# KiCad board DecentUSB.kicad_pcb (continued)
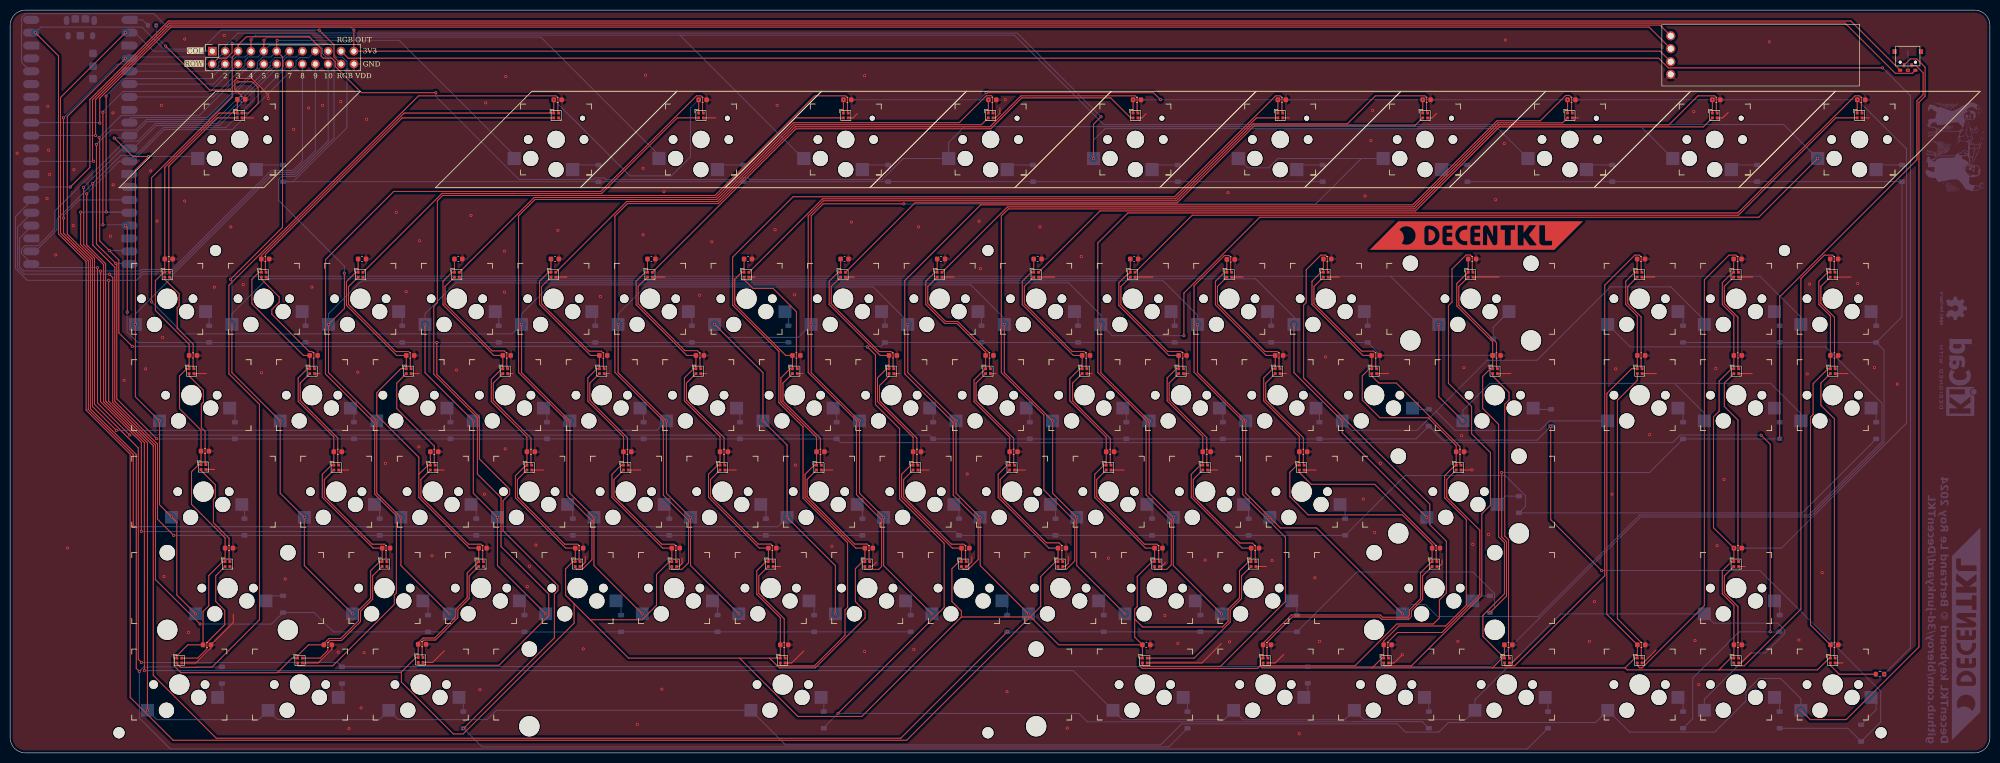
[diagram p0: board, top side]
## Routing (per net, layer and track width the routed paths; a pad name or vN(x,y) marks a point on that pad's centre or on a via; arc(x,y) is an arc through that point) (continued)
/Seven/RGB_OUT: length 25.2
  Top w0.2: D18.1 162.01,92.11 162.01,88.72 171.47,79.26 173.86,79.26 174.21,78.91 174.21,76.01
/Six/RGB_OUT: length 24.5
  Top w0.2: D16.1 144.81,93.49 146.56,91.74 150.54,91.74 155.14,87.14 155.14,76.04
/Two/RGB_OUT: length 25.3
  Top w0.2: 78.96,76.01 78.96,78.91 78.61,79.26 76.06,79.26 66.76,88.57 66.76,92.06 D8.1
COL_1: length 577.3
  Top w0.2: v1(139.01,84.61) 148.54,75.09 v1(148.54,65.56) 153.3,60.8 v1(153.3,46.51) 162.82,36.99 v1(162.82,27.46) ; v1(24.29,44.69) 24.29,58.95 15.38,67.86 15.44,67.91 15.44,97.18 9.94,102.68 9.94,129.43 v1(22.74,142.24) ; v1(176.34,108.44) 160.42,108.44 158.06,106.08 v1(158.06,84.61) 158.06,75.09 v1(167.58,65.56) 167.58,51.28 v1(172.35,46.51) 172.35,36.99 v1(181.87,27.46)
  Bottom w0.2: v1(22.74,142.24) 24.64,142.24 28.29,138.59 J1.1 ; 266.59,117.39 257.64,108.44 v1(176.34,108.44) ; 266.59,117.39 250.23,117.39 250.19,117.44 248.29,115.54 244.17,115.54 SW79.1 ; 266.59,117.39 SW80.1 ; v1(153.3,46.51) 151.45,44.66 24.31,44.66 v1(24.29,44.69) ; v1(139.01,84.61) 141.55,82.07 155.52,82.07 v1(158.06,84.61)
COL_2: length 693
  Top w0.2: v1(22.74,137.16) 11.27,125.68 11.27,102.48 16.24,97.51 16.24,68.41 v1(20.95,63.7) ; v1(213.75,117.39) 213.75,124.15 v1(215.24,125.64) ; v1(200.92,27.46) 191.4,36.99 v1(191.4,46.51) 186.63,51.28 v1(186.63,65.56) 177.11,75.09 v1(177.11,84.61) ; v1(119.96,84.61) 119.96,75.09 v1(129.49,65.56) 129.49,51.28 v1(134.25,46.51) 134.25,36.99 v1(143.77,27.46)
  Bottom w0.2: 23.02,137.44 41.28,137.44 J1.2 42.43,139.63 44.94,142.14 198.74,142.14 v1(215.24,125.64) ; v1(129.49,65.56) 127.63,63.71 20.96,63.71 v1(20.95,63.7) ; v1(119.96,84.61) 119.96,86.72 125.28,92.04 170.26,92.04 177.11,85.19 ; v1(213.75,117.39) 213.75,121 216.04,123.29 293.58,123.29 SW81.1
COL_3: length 702.8
  Top w0.2: v1(219.97,27.46) 210.45,36.99 v1(210.45,46.51) 205.69,51.28 v1(205.69,65.56) 196.16,75.09 v1(196.16,84.61) ; v1(124.72,27.46) 115.2,36.99 v1(115.2,46.51) 110.44,51.28 v1(110.44,65.56) 100.91,75.09 v1(100.91,84.61) ; v1(27.91,89.07) 27.91,113.61 43.82,129.52 43.82,137.44 J1.3 44.97,139.79 46.62,141.44 58.99,141.44 61.36,139.07 61.36,137.61 61.77,137.2 63.47,137.2 64.14,136.53 64.14,135.57 69.33,130.39 v1(83.98,130.39)
  Bottom w0.2: v1(27.91,89.07) 34.21,82.76 99.06,82.76 v1(100.91,84.61) 100.91,86.72 106.63,92.44 189.55,92.44 196.16,85.82 v1(196.16,84.61) ; J1.3 43.82,137.44 42.19,137.44 41.16,136.41 41.16,135.69 40.09,134.62 U1.5 ; v1(83.98,130.39) 83.98,129.66 100.4,113.24 115.17,113.24 115.49,113.56 117.19,113.56 117.54,113.21 143.24,113.21 143.59,113.56 145.64,113.56 145.99,113.21 172.04,113.21 176.22,117.39 SW77.1 185.17,120.57 188.29,123.69 321.75,123.69 SW82.1
COL_4: length 822.6
  Top w0.2: v1(356.62,117.39) 345.02,105.79 246.57,105.79 231.59,90.8 v1(231.59,82.39) ; v1(239.02,27.46) 229.5,36.99 v1(229.5,46.51) 224.74,51.28 v1(224.74,65.56) 215.21,75.09 v1(215.21,84.61) ; v1(81.86,84.61) 81.86,75.09 v1(91.39,65.56) 91.39,51.28 v1(96.15,46.51) 96.15,36.99 v1(105.67,27.46) ; J1.4 47.51,140.81 v1(47.54,140.84)
  Bottom w0.2: v1(231.59,82.39) 217.44,82.39 v1(215.21,84.61) 215.21,86.46 208.83,92.84 87.98,92.84 81.86,86.72 v1(81.86,84.61) ; SW76.1 156.48,117.39 132.14,141.74 ; 132.14,141.74 198.14,141.74 215.79,124.09 349.93,124.09 v1(356.62,117.39) ; 132.14,141.74 48.44,141.74 v1(47.54,140.84) ; J1.4 46.36,137.44 44.49,137.44 43.7,136.65 43.7,135.69 40.09,132.08 U1.6
COL_5: length 708.2
  Top w0.2: v1(234.26,84.61) 234.26,75.09 v1(243.78,65.56) 243.78,51.28 v1(248.55,46.51) 250.63,44.43 257.77,44.43 v1(274.74,27.46) ; v1(86.62,27.46) 77.1,36.99 v1(77.1,46.51) 72.33,51.28 v1(72.33,65.56) 62.81,75.09 v1(62.81,84.61) 65.96,87.76 65.96,94.72 v1(65.94,94.74) ; v1(50.09,140.74) 50.09,140.04 50.05,140 J1.5
  Bottom w0.2: SW17.1 319.65,80.19 358.21,80.19 369.34,69.06 369.34,61.44 354.9,47 321.55,47 301.49,26.94 281.63,26.94 279.26,29.31 276.59,29.31 v1(274.74,27.46) ; v1(234.26,84.61) 234.26,86.46 227.48,93.24 69.33,93.24 62.81,86.72 v1(62.81,84.61) ; v1(65.94,94.74) 65.94,96.14 52.96,109.12 52.96,113.26 53.55,113.84 56.28,113.84 63.9,121.46 63.9,136.77 63.23,137.44 62.27,137.44 61.6,138.11 61.6,139.13 60.99,139.74 51.2,139.74 J1.5 48.9,137.44 46.99,137.44 46.36,136.8 46.36,135.81 40.09,129.54 U1.7 ; SW75.1 128.02,118.05 104.73,141.34 50.69,141.34 v1(50.09,140.74)
COL_6: length 612.2
  Top w0.2: v1(43.76,84.61) 43.76,75.09 v1(53.28,65.56) 53.28,51.28 v1(58.05,46.51) 58.05,36.99 v1(67.57,27.46) ; v1(253.31,84.61) 253.31,75.09 v1(262.83,65.56) 262.83,63.18 v1(279.5,46.51) ; v1(52.69,140.74) 52.59,140.64 J1.6 53.74,137.44 53.74,103.79 v1(43.49,93.54)
  Bottom w0.2: v1(253.31,84.61) 253.31,86.06 245.74,93.64 50.68,93.64 43.76,86.72 v1(43.76,84.61) 43.76,93.27 v1(43.49,93.54) ; SW73.1 99.45,118.05 76.76,140.74 v1(52.69,140.74) ; 281.34,67.44 291.44,77.54 301.24,77.54 315.74,92.04 327.69,92.04 334.34,85.39 ; 281.34,67.44 285.09,63.69 301.84,63.69 303.72,65.56 SW21.1 ; 281.34,67.44 277.61,63.71 264.69,63.71 v1(262.83,65.56) ; U1.9 23.77,125.49 38.93,125.49 48.78,135.34 48.78,136.41 49.81,137.44 51.44,137.44 J1.6
COL_7: length 613.8
  Top w0.2: v1(20.54,121.44) 24.19,117.79 v1(27.34,117.79) 24.71,115.16 v1(24.71,84.61) 24.71,70.33 v1(29.47,65.56) 29.47,49 v1(31.85,46.62) 32.88,45.6 32.88,31.2 v1(36.62,27.46) ; v1(281.88,84.61) 281.88,70.33 v1(286.65,65.56)
  Bottom w0.2: 272.36,94.14 345.25,94.14 353.32,86.06 SW19.1 ; 272.36,94.14 32.13,94.14 24.71,86.72 v1(24.71,84.61) ; 272.36,94.14 v1(281.88,84.61) ; J1.7 53.86,137.32 52.23,137.32 51.32,136.41 51.32,135.69 40.32,124.69 27.05,124.69 24.28,121.92 U1.10 ; SW20.1 334.27,67.09 328.38,72.99 ; 328.38,72.99 347.35,72.99 353.32,67.01 SW22.1 ; 328.38,72.99 291.97,72.99 286.65,67.67 v1(286.65,65.56) ; v1(27.34,117.79) 36.62,117.79 SW74.1 ; v1(20.54,121.44) 22.26,121.44
COL_8: length 521
  Top w0.2: v1(26.49,16.24) 26.49,61.28 18.44,69.32 18.44,96.44 14.51,100.37 14.51,111.67 v1(14.49,111.69)
  Bottom w0.2: J1.8 56.52,137.44 54.55,137.44 53.98,136.87 53.98,135.53 53.34,134.9 52.26,134.9 41.26,123.89 28.78,123.89 24.27,119.38 U1.11 ; v1(14.49,111.69) 22.18,119.38 ; SW62.1 334.27,10.59 343.44,19.75 346.33,19.75 350.14,23.56 350.14,24.25 348.78,25.61 336.12,25.61 SW61.1 305.97,27.46 289.03,10.52 SW69.1 287.18,6.56 267.07,6.56 SW70.1 263.34,6.54 243.28,6.54 SW71.1 239.55,6.56 219.44,6.56 SW72.1 209.77,16.24 v1(26.49,16.24)
COL_9: length 663.7
  Top w0.2: v1(15.11,110.42) 15.11,100.34 18.84,96.6 18.84,69.49 27.09,61.24 v1(27.09,8.41) ; 373.67,135.81 374.92,137.06 376.19,137.06 377.84,135.42 377.84,129.7 376.62,128.49 376.62,20.92 362.26,6.56 355.17,6.56 v1(353.32,8.41)
  Bottom w0.2: v1(15.11,110.42) 21.53,116.84 U1.12 24.15,116.84 30.4,123.09 43.8,123.09 56.4,135.69 56.4,136.65 57.07,137.32 58.94,137.32 J1.9 ; v1(353.32,8.41) 353.32,10.7 349.33,14.69 345.08,14.69 342.48,12.1 342.48,10.25 336.33,4.11 319.53,4.11 SW63.1 312.8,5.99 283.77,5.99 281.89,4.11 275.29,4.11 273.66,5.74 231.14,5.74 226.97,1.57 152.99,1.57 SW68.1 95.96,8.41 94.11,6.56 76.57,6.56 SW67.1 72.87,6.56 52.75,6.56 SW66.1 49.05,6.56 28.94,6.56 v1(27.09,8.41)
RGB_LED_OUT: length 429.7
  Top w0.2: J1.21 66.68,137.2 325.26,137.2 327.17,135.29 v1(369.44,135.29)
  Bottom w0.2: v1(369.44,135.29) 374.94,129.79 374.94,20.71 v1(369.76,15.54)
RGB_VDD: length 3023.9
  Top w0.2: 340.11,37.79 v1(340.11,40.44) 336.09,44.46 336.09,66.39 337.19,67.49 337.19,73.43 339.62,75.86 D38.4 C19.1 340.1,86.28 337.82,88.56 337.82,92.87 339.54,94.59 339.74,94.59 D34.4 C17.1 ; 318.64,16.79 319.04,16.39 337.14,16.39 ; 318.64,16.79 292.46,16.79 ; 318.64,16.79 320.56,18.71 D124.4 ; D112.4 206.26,37.76 203.34,34.84 203.34,28.94 201.31,26.91 ; 61.91,21.58 62.92,22.59 65.22,22.59 68.74,26.1 68.74,28.15 71.12,30.54 71.12,35.97 72.91,37.76 D98.4 ; 187.69,26.84 187.69,28.02 185.82,29.88 185.82,36.37 187.21,37.76 D110.4 ; 187.69,26.84 201.24,26.84 ; 187.69,26.84 168.04,7.19 155.43,7.19 143.94,18.69 143.94,18.71 ; C11.1 D22.4 201.49,94.91 199.71,93.13 199.71,88.56 209.77,78.49 C30.1 D60.4 211.04,75.86 209.09,73.91 209.09,69.52 216.26,62.34 C44.1 D88.4 215.79,56.81 213.99,55.02 213.99,50.46 224.01,40.44 C57.1 225.81,37.79 ; v1(192.59,130.39) 225.59,130.39 v1(226.99,128.99) ; v1(250.14,128.99) D156.4 ; 280.46,37.76 278.29,35.59 278.29,30.44 276.09,28.24 276.09,27.1 275.77,26.79 270.8,26.79 270.35,27.24 252.79,27.24 247.21,21.66 ; 337.14,16.39 356.59,16.39 358.91,18.71 D126.4 ; 337.14,16.39 339.46,18.71 D122.4 ; D146.4 41.23,126.36 30.51,115.65 C1.1 D2.4 30.31,94.91 28.66,93.26 28.66,87.37 35.31,80.71 C3.1 D6.4 34.84,75.86 33.42,74.44 33.42,67.98 37.66,63.74 C35.1 D70.4 37.19,56.92 35.79,55.52 35.79,49.09 42.41,42.46 C48.1 D96.4 41.94,37.76 39.19,35.01 39.19,29.04 38.06,27.91 C64.1 35.06,21.34 32.91,19.19 D128.4 32.44,18.71 32.34,18.61 32.34,17.19 33.69,15.84 52.74,15.84 52.81,15.91 ; 143.94,18.71 122.01,18.71 114.44,26.29 ; 143.94,18.71 149.84,18.71 ; C65.1 58.87,21.34 56.72,19.19 D130.4 55.61,18.71 52.81,15.91 ; 149.84,18.71 D134.4 C67.1 151.96,26.68 147.32,31.32 147.32,35.97 149.11,37.76 D106.4 ; 149.84,18.71 151.76,16.79 158.85,16.79 168.69,26.62 168.69,27.97 166.77,29.88 166.77,36.37 168.16,37.76 D108.4 ; C37.1 D74.4 82.44,56.81 80.64,55.02 ; 114.44,26.29 111.27,29.45 ; 114.44,26.29 124.68,26.29 127.54,29.15 127.54,35.24 130.06,37.76 D104.4 ; C13.1 D26.4 239.59,94.91 237.81,93.13 237.81,88.51 247.82,78.49 C32.1 D64.4 249.14,75.86 247.33,74.06 247.33,69.51 254.36,62.48 C46.1 D92.4 253.89,56.81 252.49,55.42 252.49,50.62 256.11,47.01 274.7,47.01 280.56,41.15 C59.1 D118.4 ; C7.1 D14.4 125.29,94.91 123.51,93.13 123.51,88.5 133.52,78.49 C26.1 D52.4 134.84,75.86 133.03,74.06 133.03,69.51 140.06,62.48 C40.1 D80.4 139.59,56.81 137.79,55.02 137.79,50.46 147.81,40.44 C53.1 149.61,37.79 ; D138.4 270.66,18.71 268.74,16.79 ; v1(135.86,128.99) 135.86,126.39 ; 292.46,16.79 268.74,16.79 ; 292.46,16.79 294.39,18.71 D136.4 290.58,23 290.58,27.16 294.84,31.42 294.84,41.52 293.69,42.67 293.69,64.89 290.54,68.04 290.54,74.36 292.04,75.86 D68.4 C34.1 292.51,81.19 285.43,88.27 285.43,92.68 287.66,94.91 ; v1(335.86,128.99) D162.4 ; C6.1 D12.4 106.24,94.91 104.46,93.13 104.46,88.56 114.52,78.49 C25.1 D50.4 115.79,75.86 113.98,74.06 113.98,69.47 121.01,62.44 C39.1 D78.4 120.54,56.81 118.74,55.02 118.74,50.46 128.76,40.44 C52.1 130.56,37.79 ; 111.27,29.45 109.59,31.14 109.59,36.34 111.01,37.76 D102.4 ; 111.27,29.45 111.27,25.62 89.39,3.74 87.45,3.74 77.2,13.99 77.2,15.98 ; 340.11,18.74 C61.1 340.11,29.11 337.82,31.41 337.82,35.97 339.61,37.76 D120.4 ; 221.87,26.44 221.87,28.37 222.38,28.88 222.38,34.83 225.31,37.76 D114.4 ; 221.87,26.44 223.44,24.87 239.2,24.87 240.31,25.98 240.31,28.38 242.57,30.64 242.57,35.97 244.36,37.76 D116.4 ; 221.87,26.44 221.87,22.88 C71.1 ; 246.64,17.19 246.64,18.34 247.01,18.71 D140.4 C70.1 ; 246.64,17.19 246.14,16.69 223.39,16.69 222.84,17.24 222.84,18.61 222.94,18.71 D142.4 C71.1 ; 246.64,17.19 247.04,16.79 268.74,16.79 ; C14.1 D28.4 258.64,94.91 256.86,93.13 256.86,88.55 266.92,78.49 C33.1 D66.4 268.19,75.86 266.78,74.46 266.78,69.67 270.27,66.19 279.79,66.19 285.31,60.67 C47.1 D94.4 285.09,56.59 284.89,56.59 283.04,54.74 283.04,50.35 287.31,46.07 287.31,29.14 283.23,25.06 274.01,25.06 271.02,22.08 C69.1 271.02,18.73 ; 80.64,55.02 80.64,58.39 72.34,66.69 72.34,71.14 77.07,75.86 D46.4 C23.1 76.27,78.49 66.36,88.4 66.36,93.08 68.19,94.91 D8.4 C4.1 ; 80.64,55.02 80.64,50.42 90.62,40.44 C50.1 92.46,37.79 ; v1(4.96,142.24) 9.54,137.67 9.54,102.51 15.04,97.01 14.98,96.96 14.98,67.69 23.69,58.98 23.69,10.97 32.17,2.49 176.89,2.49 201.24,26.84 ; 73.41,37.79 C49.1 71.61,40.44 61.59,50.46 61.59,55.02 63.39,56.81 D72.4 C36.1 63.86,62.39 56.83,69.42 56.83,74.06 58.64,75.86 D44.4 C22.1 57.89,78.49 47.71,88.67 47.71,93.53 49.09,94.91 D4.4 C2.1 49.56,98.2 77.73,126.36 D144.4 v1(107.26,128.99) ; C15.1 D30.4 ; 187.71,37.79 C55.1 185.91,40.44 175.89,50.46 175.89,55.02 177.69,56.81 D84.4 C42.1 178.16,62.35 171.13,69.38 171.13,74.06 172.94,75.86 D56.4 C28.1 171.67,78.49 161.61,88.56 161.61,93.13 163.39,94.91 D18.4 C9.1 ; v1(307.29,128.99) D160.4 ; 364.44,128.96 D164.4 ; 80.51,21.74 81.46,22.69 83.77,22.69 87.94,26.85 87.94,28.4 90.17,30.64 90.17,35.52 92.41,37.76 ; v1(60.99,142.74) 63.9,139.83 63.9,137.44 J1.22 ; 201.31,26.91 206.89,21.34 C71.1 ; 201.31,26.91 201.24,26.84 ; 206.76,37.79 C56.1 204.96,40.44 194.94,50.46 194.94,55.02 196.74,56.81 D86.4 C43.1 197.21,62.34 190.18,69.37 190.18,73.63 192.41,75.86 ; C10.1 D20.4 182.44,94.91 180.66,93.13 180.66,88.56 184.4,84.81 186.8,84.81 192.46,79.15 C29.1 D58.4 ; 77.2,15.98 77.13,15.91 52.81,15.91 ; 77.2,15.98 80.04,18.82 D132.4 C66.1 ; v1(278.71,128.99) D158.4 ; v1(164.41,128.99) D150.4 ; v1(193.01,128.99) 193.01,126.39 ; C12.1 D24.4 220.69,94.59 220.49,94.59 218.76,92.86 218.76,88.35 228.62,78.49 C31.1 D62.4 230.09,75.86 228.28,74.06 228.28,69.51 235.31,62.48 C45.1 D90.4 234.84,56.81 233.04,55.02 233.04,50.46 243.06,40.44 C58.1 244.86,37.79 ; 359.16,18.74 C63.1 355.22,25.28 355.22,66.33 355.74,66.85 355.74,72.93 358.68,75.86 D42.4 C21.1 359.15,86.28 356.87,88.56 356.87,93.14 358.64,94.91 D36.4 C18.1 ; v1(221.56,128.99) D154.4 ; C68.1 294.84,18.74 ; 321.06,18.74 C62.1 315.04,27.36 315.04,70.99 319.91,75.86 D40.4 C20.1 321.05,86.28 318.77,88.56 318.77,93.14 320.54,94.91 D32.4 C16.1 ; 111.51,37.79 C51.1 109.62,40.44 99.69,50.37 99.69,54.74 101.49,56.54 101.69,56.54 D76.4 C38.1 101.96,62.36 94.93,69.4 94.93,73.78 97.01,75.86 D48.4 C24.1 95.42,78.49 85.41,88.5 85.41,93.13 87.19,94.91 D10.4 C5.1 ; C73.1 44.83,126.38 ; 168.66,37.79 C54.1 166.86,40.44 156.84,50.46 156.84,55.02 158.64,56.81 D82.4 C41.1 159.11,62.29 152.08,69.32 152.08,74.06 153.89,75.86 D54.4 C27.1 153.04,78.49 142.96,88.57 142.96,93.53 144.34,94.91 D16.4 C8.1
  Bottom w0.2: v1(221.56,128.99) v1(226.99,128.99) v1(250.14,128.99) v1(278.71,128.99) v1(307.29,128.99) v1(335.86,128.99) v1(364.46,128.99) 374.16,119.29 374.16,65.13 349.47,40.44 v1(340.11,40.44) ; 191.14,128.99 192.54,130.39 v1(192.59,130.39) ; 191.14,128.99 v1(193.01,128.99) ; 191.14,128.99 v1(164.41,128.99) ; v1(4.96,142.24) 6.07,143.34 25.99,143.34 30.34,138.99 37.84,138.99 41.59,142.74 v1(60.99,142.74) ; v1(135.86,128.99) 134.23,127.36 134.23,117.71 130.48,113.96 122.29,113.96 v1(107.26,128.99)
ROW_1: length 738
  Top w0.2: v1(10.54,125.44) v1(10.54,105.64) 10.54,102.64 15.84,97.34 15.84,67.97 24.89,58.92 24.89,16.69 v1(25.49,16.09) ; J1.11 41.04,137.2 42.7,137.2 43.79,138.29 v1(43.79,140.14)
  Bottom w0.2: D135.1 299.33,0.77 31.61,0.77 25.49,6.89 v1(25.49,16.09) 26.39,16.99 D127.1 ; v1(43.79,140.14) 62.84,140.14 63.9,139.08 63.9,137.88 64.39,137.39 65.58,137.39 66.44,136.53 66.44,123.44 55.81,112.81 D145.1 D143.1 D147.1 D149.1 D151.1 D153.1 D155.1 ; U1.15 13.63,109.22 10.54,106.13 v1(10.54,105.64) ; v1(10.54,125.44) 21.15,136.05 J1.11
ROW_2: length 695.9
  Top w0.2: v1(25.89,17.85) 25.29,18.45 25.29,60.21 16.64,68.86 16.64,97.68 13.91,100.4 v1(13.91,106.79) ; v1(18.94,129.7) v1(18.94,106.84)
  Bottom w0.2: D31.1 D33.1 D35.1 ; 65.54,17.04 D139.1 292.15,17.04 301.65,26.54 321.72,46.6 355.07,46.6 369.74,61.27 369.74,79.51 D35.1 ; D157.1 D159.1 D161.1 D163.1 373.26,86.14 D35.1 ; v1(25.89,17.85) 64.62,17.85 D129.1 ; J1.12 39.56,133.18 22.29,133.18 18.94,129.83 v1(18.94,129.7) ; v1(18.94,106.84) 22.59,106.84 ; v1(13.91,106.79) 22.64,106.79
ROW_3: length 450.7
  Top w0.2: v1(23.11,87.06) 23.11,103.77 v1(22.74,104.14) ; v1(84.19,81.06) 84.19,74.75 92.59,66.35 92.59,58.06 98.56,52.09 98.56,51.1 97.26,49.8 97.26,43.86 108.08,33.04 108.08,32.05 107.38,31.34 107.38,22.73 89.51,4.86 v1(89.42,4.86) ; v1(18.3,126.52) v1(18.3,104.3)
  Bottom w0.2: v1(89.42,4.86) 93.11,1.17 228.61,1.17 D141.1 ; v1(23.11,87.06) 23.09,87.04 23.09,83.11 25.14,81.06 D1.1 D3.1 D7.1 84.09,81.06 ; v1(18.3,126.52) 18.3,126.65 22.29,130.64 39.56,130.64 J1.13 ; 84.09,81.06 D9.1 D11.1 D13.1 D15.1 ; 84.09,81.06 v1(84.19,81.06) ; v1(18.3,104.3) 22.59,104.3
ROW_4: length 562.1
  Top w0.2: v1(163.34,7.79) 163.34,7.8 184.29,28.75 184.29,41.39 175.49,50.18 175.49,64.02 170.73,68.78 170.73,78.58 v1(169.13,80.18) ; v1(17.56,121.55) 17.66,121.44 17.66,101.12 v1(19.57,99.22) 21.44,97.35 21.44,82.96 v1(24.11,80.29)
  Bottom w0.2: J1.14 37.35,125.89 21.9,125.89 v1(17.56,121.55) ; 169.24,80.29 171.83,80.29 D17.1 D19.1 D21.1 D23.1 D25.1 D27.1 270.39,78.52 D29.1 ; 169.24,80.29 v1(169.13,80.18) ; 169.24,80.29 v1(24.11,80.29) ; v1(19.57,99.22) 22.59,99.22 ; D137.1 278.61,6.16 265.19,6.16 265.16,6.14 212.54,6.14 210.89,7.79 v1(163.34,7.79) 160.54,4.99
ROW_5: length 493.1
  Top w0.2: v1(17.03,120.17) 17.03,100.49 v1(20.84,96.68) 21.04,96.48 21.04,69.92 v1(28.87,62.09) ; v1(345.49,62.74) 347.29,60.94 v1(347.29,23.91)
  Bottom w0.2: D123.1 331.99,6.76 331.99,14.76 341.13,23.91 v1(347.29,23.91) D119.1 ; v1(345.49,62.74) 345.44,62.79 329.52,62.79 327.99,61.26 163.83,61.26 D53.1 D51.1 D49.1 D47.1 D45.1 D43.1 D5.1 28.95,62.01 v1(28.87,62.09) ; v1(17.03,120.17) 19.88,123.02 24.82,123.02 26.89,125.09 39.09,125.09 J1.15 ; v1(20.84,96.68) 22.59,96.68
ROW_6: length 530
  Top w0.2: v1(23.57,62.78) 17.24,69.11 v1(17.24,95.84) ; v1(303.96,64.46) 303.96,46.05 v1(314.02,35.99)
  Bottom w0.2: J1.16 40.83,124.29 28.62,124.29 25.14,120.81 22.62,120.81 8.83,107.02 8.83,103.49 5.5,100.16 2.91,100.16 2.27,99.52 2.27,98.6 4.35,96.52 ; v1(303.96,64.46) 301.25,61.75 282.71,61.75 D65.1 277.38,62.01 D63.1 D61.1 D59.1 D57.1 D55.1 181.38,62.76 23.59,62.76 v1(23.57,62.78) ; D121.1 362.6,4.86 365.22,2.24 369.08,6.11 369.08,12.17 345.23,36.03 314.06,36.03 v1(314.02,35.99) ; U1.21 5.65,95.84 v1(17.24,95.84)
ROW_7: length 278.7
  Top w0.2: v1(16.31,112.47) 16.31,100.27 20.64,95.94 20.64,69.42 29.07,60.99 29.07,46.15 v1(32.28,42.94)
  Bottom w0.2: v1(32.28,42.94) 32.3,42.96 D69.1 D71.1 D73.1 D75.1 D77.1 D79.1 D81.1 ; U1.22 9.24,103.34 9.24,105.4 v1(16.31,112.47) 21.78,117.94 24.69,117.94 30.24,123.49 42.57,123.49 J1.17
ROW_8: length 508.6
  Top w0.2: v1(25.89,43.74) 25.89,61.31 17.84,69.36 17.84,94.54 17.84,94.54 v1(17.84,95.14)
  Bottom w0.2: D41.1 353.58,47.4 D93.1 298.97,48.67 298.97,50.78 294.98,54.77 275.22,54.77 D91.1 D89.1 D87.1 D85.1 D83.1 186.46,43.71 25.92,43.71 v1(25.89,43.74) ; J1.18 57.67,116.93 55.78,115.04 51.52,115.04 31.96,95.48 25.95,95.48 25.65,95.18 2.65,95.18 1.87,95.97 1.87,101.66 4.34,104.14
ROW_9: length 317.9
  Top w0.2: v1(37.46,25.44) 28.64,34.26 28.67,34.3 28.67,60.79 20.24,69.22 20.24,93.89 20.24,93.89 v1(19.59,94.54)
  Bottom w0.2: D107.1 D105.1 D103.1 D101.1 D99.1 D97.1 63.77,23.91 59.95,27.72 D95.1 51.58,25.44 v1(37.46,25.44) ; J1.19 60.21,118.9 55.95,114.64 51.69,114.64 32.09,95.05 26.08,95.05 25.57,94.54 v1(19.59,94.54) 2.73,94.54 1.46,95.8 1.46,103.8 4.35,106.68
ROW_10: length 649
  Top w0.2: v1(291.99,27.72) 295.24,30.97 295.24,41.69 294.3,42.63 v1(294.3,55.37) ; v1(349.13,62.01) 349.13,90.05 376.22,117.14 376.22,128.79 377.44,130 377.44,134.34 376.01,135.76 375.22,135.76 ; v1(196.74,23.91) 175.71,2.89 40.67,2.89 28.24,15.32 28.24,60.59 28.27,60.62 19.44,69.45 v1(19.44,93.34)
  Bottom w0.2: v1(196.74,23.91) D111.1 D113.1 D115.1 265.69,35.72 288.63,35.72 292.88,31.47 292.88,28.62 v1(291.99,27.72) ; v1(294.3,55.37) 323.44,55.37 D39.1 v1(349.13,62.01) ; 19.39,93.34 v1(19.44,93.34) ; 19.39,93.34 24.94,93.34 26.16,94.56 32.17,94.56 32.25,94.65 51.85,114.24 56.12,114.24 62.75,120.88 J1.20 ; 19.39,93.34 3.36,93.34 1.07,95.64 1.07,105.94 4.35,109.22
Net-(D1-A): length 2.1
  Bottom w0.2: D1.2 39.26,86.46
Net-(D3-A): length 2.1
  Bottom w0.2: D3.2 58.31,86.46
Net-(D5-A): length 1.8
  Bottom w0.2: D5.2 44.34,67.09
Net-(D7-A): length 2.1
  Bottom w0.2: D7.2 77.36,86.46
Net-(D9-A): length 2.1
  Bottom w0.2: D9.2 96.41,86.46
Net-(D11-A): length 2.1
  Bottom w0.2: D11.2 115.45,86.46
Net-(D13-A): length 2.1
  Bottom w0.2: D13.2 134.5,86.46
Net-(D15-A): length 2.1
  Bottom w0.2: D15.2 153.56,86.46
Net-(D17-A): length 2.1
  Bottom w0.2: D17.2 172.61,86.46
Net-(D19-A): length 2.1
  Bottom w0.2: D19.2 191.65,86.46
Net-(D21-A): length 2.1
  Bottom w0.2: D21.2 210.7,86.46
Net-(D23-A): length 2.1
  Bottom w0.2: D23.2 229.75,86.46
Net-(D25-A): length 2.1
  Bottom w0.2: D25.2 248.81,86.46
Net-(D27-A): length 2.1
  Bottom w0.2: D27.2 267.85,86.46
Net-(D29-A): length 6.6
  Bottom w0.2: SW16.2 292.62,84.04 D29.2
Net-(D31-A): length 1.8
  Bottom w0.2: D31.2 330.08,86.14
Net-(D33-A): length 1.8
  Bottom w0.2: D33.2 349.13,86.14
Net-(D35-A): length 1.8
  Bottom w0.2: D35.2 368.19,86.14
Net-(D37-A): length 1.8
  Bottom w0.2: D37.2 349.13,67.09
Net-(D39-A): length 1.8
  Bottom w0.2: D39.2 330.08,67.09
Net-(D41-A): length 1.8
  Bottom w0.2: D41.2 368.19,67.09
Net-(D43-A): length 2.1
  Bottom w0.2: D43.2 67.83,67.41
Net-(D45-A): length 2.1
  Bottom w0.2: D45.2 86.88,67.41
Net-(D47-A): length 2.1
  Bottom w0.2: D47.2 105.93,67.41
Net-(D49-A): length 2.1
  Bottom w0.2: D49.2 124.98,67.41
Net-(D51-A): length 2.1
  Bottom w0.2: D51.2 144.03,67.41
Net-(D53-A): length 2.1
  Bottom w0.2: D53.2 163.08,67.41
Net-(D55-A): length 2.1
  Bottom w0.2: D55.2 182.13,67.41
Net-(D57-A): length 2.1
  Bottom w0.2: D57.2 201.18,67.41
Net-(D59-A): length 2.1
  Bottom w0.2: D59.2 220.23,67.41
Net-(D61-A): length 2.1
  Bottom w0.2: D61.2 239.28,67.41
Net-(D63-A): length 2.1
  Bottom w0.2: D63.2 258.33,67.41
Net-(D65-A): length 3
  Bottom w0.2: D65.2 276.94,67.85
Net-(D67-A): length 3.3
  Bottom w0.2: D67.2 300.75,67.85
Net-(D69-A): length 2.4
  Bottom w0.2: D69.2 46.24,48.63
Net-(D71-A): length 1.8
  Bottom w0.2: D71.2 72.91,48.04
Net-(D73-A): length 1.8
  Bottom w0.2: D73.2 91.96,48.04
Net-(D75-A): length 1.8
  Bottom w0.2: D75.2 111.01,48.04
Net-(D77-A): length 1.8
  Bottom w0.2: D77.2 130.06,48.04
Net-(D79-A): length 1.8
  Bottom w0.2: D79.2 149.11,48.04
Net-(D81-A): length 1.8
  Bottom w0.2: D81.2 168.16,48.04
Net-(D83-A): length 1.8
  Bottom w0.2: D83.2 187.21,48.04
Net-(D85-A): length 1.8
  Bottom w0.2: D85.2 206.26,48.04
Net-(D87-A): length 1.8
  Bottom w0.2: D87.2 225.31,48.04
Net-(D89-A): length 1.8
  Bottom w0.2: D89.2 244.36,48.04
Net-(D91-A): length 1.8
  Bottom w0.2: D91.2 263.41,48.04
Net-(D93-A): length 5
  Bottom w0.2: D93.2 295,50.7 SW48.2
Net-(D95-A): length 2.4
  Bottom w0.2: D95.2 51.48,31.02
Net-(D97-A): length 1.8
  Bottom w0.2: D97.2 82.44,28.99
Net-(D99-A): length 1.8
  Bottom w0.2: D99.2 101.48,28.99
Net-(D101-A): length 1.8
  Bottom w0.2: D101.2 120.54,28.99
Net-(D103-A): length 1.8
  Bottom w0.2: D103.2 139.58,28.99
Net-(D105-A): length 1.8
  Bottom w0.2: D105.2 158.63,28.99
Net-(D107-A): length 1.8
  Bottom w0.2: D107.2 177.69,28.99
Net-(D109-A): length 1.8
  Bottom w0.2: D109.2 196.74,28.99
Net-(D111-A): length 1.8
  Bottom w0.2: D111.2 215.79,28.99
Net-(D113-A): length 1.8
  Bottom w0.2: D113.2 234.83,28.99
Net-(D115-A): length 1.8
  Bottom w0.2: D115.2 253.88,28.99
Net-(D117-A): length 2.4
  Bottom w0.2: D117.2 289.61,31.02
Net-(D119-A): length 1.8
  Bottom w0.2: D119.2 349.13,28.99
Net-(D121-A): length 1.8
  Bottom w0.2: D121.2 349.13,9.94
Net-(D123-A): length 1.8
  Bottom w0.2: D123.2 330.08,9.94
Net-(D125-A): length 5.6
  Bottom w0.2: D125.2 368.19,8.51 368.19,9.94
Net-(D127-A): length 1.9
  Bottom w0.2: D127.2 41.79,11.8
Net-(D129-A): length 2
  Bottom w0.2: D129.2 65.49,11.69
Net-(D131-A): length 1.9
  Bottom w0.2: D131.2 89.42,10.1
Net-(D133-A): length 2.3
  Bottom w0.2: D133.2 160.54,10.42
Net-(D135-A): length 2.3
  Bottom w0.2: D135.2 303.41,10.42
Net-(D137-A): length 1.9
  Bottom w0.2: D137.2 279.92,10.1
Net-(D139-A): length 2
  Bottom w0.2: D139.2 256.04,11.74
Net-(D141-A): length 1.9
  Bottom w0.2: D141.2 232.3,10.1
Net-(D143-A): length 5.5
  Bottom w0.2: D143.2 111.91,116.11 SW73.2
Net-(D145-A): length 5.7
  Bottom w0.2: SW74.2 49.48,116.11 D145.2
Net-(D147-A): length 5.5
  Bottom w0.2: SW75.2 140.49,116.11 D147.2
Net-(D149-A): length 5.5
  Bottom w0.2: SW76.2 169.06,116.11 D149.2
Net-(D151-A): length 5.5
  Bottom w0.2: SW77.2 197.64,116.11 D151.2
Net-(D153-A): length 5.5
  Bottom w0.2: SW78.2 226.21,116.11 D153.2
Net-(D155-A): length 5.5
  Bottom w0.2: SW79.2 254.79,116.11 D155.2
Net-(D157-A): length 5.5
  Bottom w0.2: D157.2 283.36,116.11 SW80.2
Net-(D159-A): length 5.5
  Bottom w0.2: D159.2 311.94,116.11 SW81.2
Net-(D161-A): length 5.5
  Bottom w0.2: SW82.2 340.51,116.11 D161.2
Net-(D163-A): length 5.5
  Bottom w0.2: D163.2 369.09,116.11 SW83.2
Net-(U1-GPIO0): length 4.9
  Bottom w0.2: U1.1 26.09,144.78 R1.1
Net-(U1-GPIO21): length 393.4
  Top w0.2: 372.92,134.81 363.2,144.54 31.23,144.54 15.74,129.05 15.74,115.63 v1(11.87,111.76)
  Bottom w0.2: 4.97,111.76 v1(11.87,111.76)
Net-(U1-GPIO22): length 394
  Top w0.2: 375.92,134.81 375.32,134.21 371.96,134.21 362.04,144.14 31.4,144.14 16.26,129 16.26,117.01 v1(16.43,116.84)
  Bottom w0.2: U1.29 16.43,116.84 v1(16.43,116.84)
Net-(U1-GPIO26_ADC0): length 336.8
  Top w0.2: U2.1 325.53,143.74 31.56,143.74 16.86,129.03 v1(16.86,121.93)
  Bottom w0.2: v1(16.86,121.93) 16.84,121.92 U1.31
Net-(U1-GPIO27_ADC1): length 335.2
  Top w0.2: v1(17.69,124.39) 17.69,129.3 31.73,143.34 323.39,143.34 U2.2
  Bottom w0.2: v1(17.69,124.39) 17.62,124.46 U1.32

## Copper pours and planes (outline as drawn; the poured copper is in the pictures)
GND on Top, Bottom: -2,148.69 392,148.69 392,-1.31 -2,-1.31

## Text on the board
Bottom: DecenTKL keyboard © Bertrand Le Roy 2024 / github.com/bleroy/3d-junkyard/DecenTKL
B.Mask: DecenTKL keyboard © Bertrand Le Roy 2024 / github.com/bleroy/3d-junkyard/DecenTKL
B.Silkscreen: COL | ROW | 1 | 2 | 3 | 4 | 5 | 6 | 7 | 8 | 9 | 10 | RGB VDD | 3V3 | GND | RGB OUT
F.Silkscreen: RGB VDD | 3V3 | GND | RGB OUT | 1 | 2 | 3 | 4 | 5 | 6 | 7 | 8 | 9 | 10 | COL | ROW
